# Altium PCB V3mycar.PcbDoc (part 3 of 4) (continued)
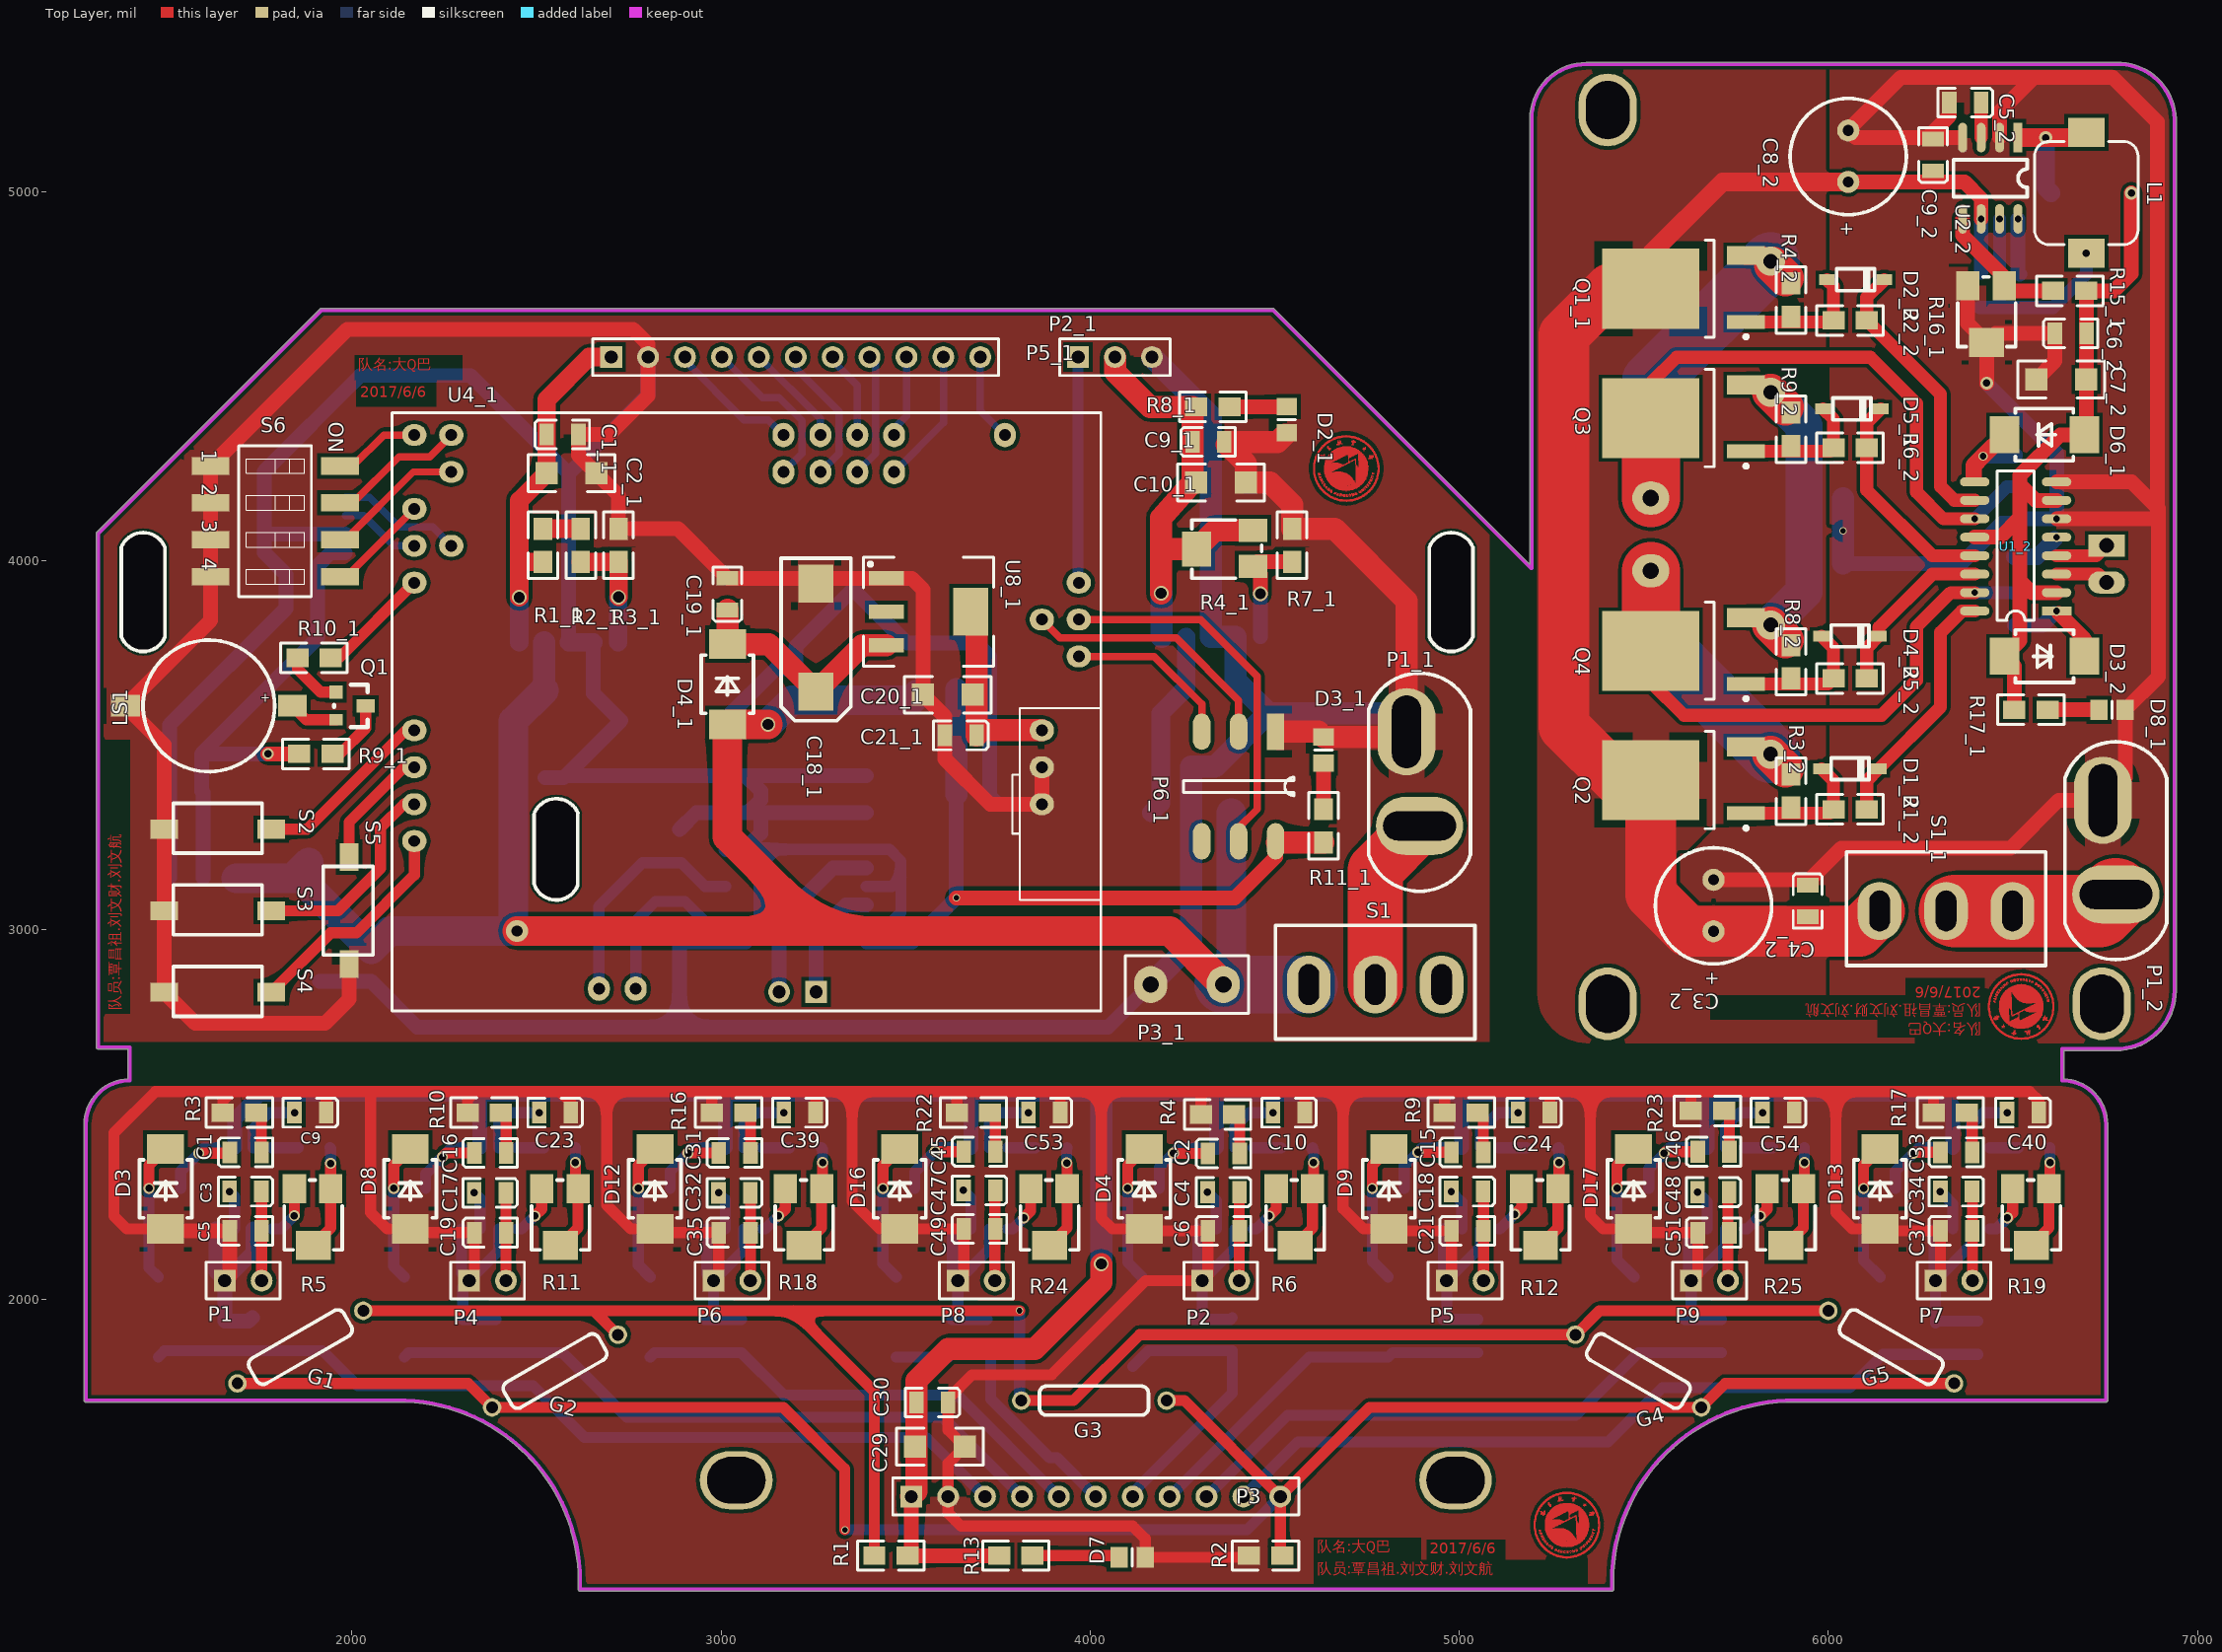
[diagram p0: Top Layer view]
## Nets (pads, with @x,y where several pads share a name; then routed paths per layer and width w, separated by ;. In a path a pad name is that pad's centre, name@x,y a point inside that pad or via, vN(x,y) a via of type N, cw(c..) or ccw(c..) an arc to the next point about the centre after c; other vN are vias at no path point) (continued)
; 6471.62,2738.54 6474.62,2738.54 ; 6471.62,2761.54 6489.62,2761.54 ; 6471.62,2824.54 6495.62,2824.54 ; 6471.62,2847.54 6472.62,2847.54 ; 6471.62,2866.54 6479.62,2866.54 ; 6472.62,2718.54 6480.62,2718.54 ; 6472.62,2759.54 6489.62,2759.54 ; 6472.62,2760.54 6489.62,2760.54 ; 6472.62,2825.54 6495.62,2825.54 ; 6472.62,2826.54 6495.62,2826.54 ; 6472.62,2845.54 6474.62,2845.54 ; 6472.62,2846.54 6473.62,2846.54 ; 6472.62,2867.54 6480.62,2867.54 ; 6473.62,2742.54 6474.62,2742.54 ; 6473.62,2743.54 6474.62,2743.54 ; 6473.62,2744.54 6474.62,2744.54 ; 6473.62,2758.54 6489.62,2758.54 ; 6473.62,2827.54 6495.62,2827.54 ; 6473.62,2844.54 6474.62,2844.54 ; 6473.62,2851.54 6475.62,2851.54 ; 6474.62,2717.54 6483.62,2717.54 ; 6474.62,2737.54 6476.62,2737.54 ; 6474.62,2740.54 6477.62,2740.54 ; 6474.62,2757.54 6489.62,2757.54 ; 6474.62,2828.54 6495.62,2828.54 ; 6474.62,2829.54 6495.62,2829.54 ; 6474.62,2830.54 6475.62,2830.54 ; 6474.62,2850.54 6476.62,2850.54 ; 6474.62,2852.54 6475.62,2852.54 ; 6474.62,2868.54 6483.62,2868.54 ; 6475.62,2736.54 6476.62,2736.54 ; 6475.62,2756.54 6489.62,2756.54 ; 6475.62,2849.54 6476.62,2849.54 ; 6475.62,2869.54 6484.62,2869.54 ; 6476.62,2716.54 6484.62,2716.54 ; 6476.62,2754.54 6489.62,2754.54 ; 6476.62,2755.54 6489.62,2755.54 ; 6476.62,2830.54 6495.62,2830.54 ; 6476.62,2831.54 6495.62,2831.54 ; 6476.62,2847.54 6477.62,2847.54 ; 6476.62,2848.54 6477.62,2848.54 ; 6476.62,2851.54 6478.62,2851.54 ; 6477.62,2753.54 6489.62,2753.54 ; 6477.62,2832.54 6495.62,2832.54 ; 6477.62,2850.54 6481.62,2850.54 ; 6477.62,2853.54 6479.62,2853.54 ; 6477.62,2854.54 6478.62,2854.54 ; 6478.62,2715.54 6487.62,2715.54 ; 6478.62,2752.54 6489.62,2752.54 ; 6478.62,2833.54 6495.62,2833.54 ; 6478.62,2852.54 6479.62,2852.54 ; 6478.62,2870.54 6487.62,2870.54 ; 6479.62,2714.54 6489.62,2714.54 ; 6479.62,2751.54 6565.62,2751.54 ; 6479.62,2834.54 6495.62,2834.54 ; 6479.62,2836.54 6480.62,2836.54 ; 6479.62,2851.54 6480.62,2851.54 ; 6479.62,2871.54 6489.62,2871.54 ; 6480.62,2750.54 6563.62,2750.54 ; 6480.62,2835.54 6509.62,2835.54 ; 6481.62,2713.54 6492.62,2713.54 ; 6481.62,2749.54 6563.62,2749.54 ; 6481.62,2836.54 6509.62,2836.54 ; 6481.62,2854.54 6483.62,2854.54 ; 6481.62,2855.54 6483.62,2855.54 ; 6481.62,2856.54 6482.62,2856.54 ; 6481.62,2857.54 6482.62,2857.54 ; 6481.62,2872.54 6492.62,2872.54 ; 6482.62,2853.54 6484.62,2853.54 ; 6482.62,2858.54 6485.62,2858.54 ; 6483.62,2712.54 6494.62,2712.54 ; 6483.62,2747.54 6561.62,2747.54 ; 6483.62,2748.54 6561.62,2748.54 ; 6483.62,2837.54 6509.62,2837.54 ; 6483.62,2838.54 6510.62,2838.54 ; 6483.62,2852.54 6484.62,2852.54 ; 6483.62,2873.54 6494.62,2873.54 ; 6485.62,2711.54 6498.62,2711.54 ; 6485.62,2746.54 6559.62,2746.54 ; 6485.62,2839.54 6509.62,2839.54 ; 6485.62,2856.54 6487.62,2856.54 ; 6485.62,2857.54 6486.62,2857.54 ; 6485.62,2874.54 6498.62,2874.54 ; 6486.62,2745.54 6558.62,2745.54 ; 6486.62,2840.54 6509.62,2840.54 ; 6486.62,2841.54 6556.62,2841.54 ; 6486.62,2854.54 6487.62,2854.54 ; 6486.62,2855.54 6487.62,2855.54 ; 6487.62,2710.54 6501.62,2710.54 ; 6487.62,2744.54 6556.62,2744.54 ; 6487.62,2875.54 6501.62,2875.54 ; 6488.62,2743.54 6555.62,2743.54 ; 6488.62,2842.54 6555.62,2842.54 ; 6489.62,2790.54 6496.62,2790.54 ; 6489.62,2791.54 6496.62,2791.54 ; 6490.62,2709.54 6507.62,2709.54 ; 6490.62,2789.54 6496.62,2789.54 ; 6490.62,2843.54 6553.62,2843.54 ; 6490.62,2876.54 6506.62,2876.54 ; 6491.62,2742.54 6553.62,2742.54 ; 6491.62,2752.54 6565.62,2752.54 ; 6491.62,2787.54 6496.62,2787.54 ; 6491.62,2788.54 6496.62,2788.54 ; 6492.62,2741.54 6552.62,2741.54 ; 6492.62,2786.54 6496.62,2786.54 ; 6492.62,2844.54 6552.62,2844.54 ; 6492.62,2861.54 6495.62,2861.54 ; 6492.62,2862.54 6494.62,2862.54 ; 6493.62,2708.54 6512.62,2708.54 ; 6493.62,2740.54 6550.62,2740.54 ; 6493.62,2753.54 6566.62,2753.54 ; 6493.62,2785.54 6496.62,2785.54 ; 6493.62,2845.54 6550.62,2845.54 ; 6493.62,2860.54 6494.62,2860.54 ; 6493.62,2863.54 6498.62,2863.54 ; 6493.62,2877.54 6512.62,2877.54 ; 6494.62,2783.54 6496.62,2783.54 ; 6494.62,2784.54 6496.62,2784.54 ; 6494.62,2858.54 6496.62,2858.54 ; 6495.62,2739.54 6547.62,2739.54 ; 6495.62,2754.54 6517.62,2754.54 ; 6495.62,2771.54 6497.62,2771.54 ; 6495.62,2772.54 6497.62,2772.54 ; 6495.62,2773.54 6497.62,2773.54 ; 6495.62,2774.54 6497.62,2774.54 ; 6495.62,2775.54 6497.62,2775.54 ; 6495.62,2776.54 6497.62,2776.54 ; 6495.62,2777.54 6497.62,2777.54 ; 6495.62,2778.54 6497.62,2778.54 ; 6495.62,2779.54 6496.62,2779.54 ; 6495.62,2780.54 6497.62,2780.54 ; 6495.62,2781.54 6496.62,2781.54 ; 6495.62,2782.54 6496.62,2782.54 ; 6495.62,2864.54 6496.62,2864.54 ; 6495.62,2878.54 6548.62,2878.54 ; 6496.62,2707.54 6547.62,2707.54 ; 6496.62,2720.54 6498.62,2720.54 ; 6496.62,2721.54 6498.62,2721.54 ; 6496.62,2767.54 6498.62,2767.54 ; 6496.62,2768.54 6500.62,2768.54 ; 6496.62,2769.54 6497.62,2769.54 ; 6496.62,2770.54 6497.62,2770.54 ; 6496.62,2833.54 6565.62,2833.54 ; 6496.62,2834.54 6510.62,2834.54 ; 6496.62,2846.54 6548.62,2846.54 ; 6497.62,2755.54 6516.62,2755.54 ; 6497.62,2832.54 6566.62,2832.54 ; 6497.62,2859.54 6498.62,2859.54 ; 6497.62,2860.54 6498.62,2860.54 ; 6497.62,2861.54 6498.62,2861.54 ; 6497.62,2862.54 6498.62,2862.54 ; 6498.62,2719.54 6507.62,2719.54 ; 6498.62,2738.54 6546.62,2738.54 ; 6498.62,2829.54 6569.62,2829.54 ; 6498.62,2830.54 6568.62,2830.54 ; 6498.62,2831.54 6567.62,2831.54 ; 6498.62,2847.54 6546.62,2847.54 ; 6499.62,2756.54 6517.62,2756.54 ; 6499.62,2769.54 6502.62,2769.54 ; 6499.62,2828.54 6569.62,2828.54 ; 6499.62,2879.54 6544.62,2879.54 ; 6500.62,2706.54 6543.62,2706.54 ; 6500.62,2717.54 6502.62,2717.54 ; 6500.62,2718.54 6503.62,2718.54 ; 6500.62,2720.54 6501.62,2720.54 ; 6500.62,2721.54 6502.62,2721.54 ; 6500.62,2722.54 6502.62,2722.54 ; 6500.62,2723.54 6502.62,2723.54 ; 6500.62,2737.54 6543.62,2737.54 ; 6500.62,2770.54 6504.62,2770.54 ; 6500.62,2826.54 6571.62,2826.54 ; 6500.62,2827.54 6570.62,2827.54 ; 6500.62,2863.54 6502.62,2863.54 ; 6500.62,2864.54 6501.62,2864.54 ; 6500.62,2865.54 6503.62,2865.54 ; 6501.62,2716.54 6502.62,2716.54 ; 6501.62,2728.54 6507.62,2728.54 ; 6501.62,2757.54 6517.62,2757.54 ; 6501.62,2825.54 6572.62,2825.54 ; 6501.62,2848.54 6543.62,2848.54 ; 6501.62,2860.54 6502.62,2860.54 ; 6501.62,2861.54 6502.62,2861.54 ; 6501.62,2862.54 6502.62,2862.54 ; 6501.62,2866.54 6502.62,2866.54 ; 6502.62,2724.54 6503.62,2724.54 ; 6502.62,2725.54 6505.62,2725.54 ; 6502.62,2726.54 6505.62,2726.54 ; 6502.62,2824.54 6572.62,2824.54 ; 6502.62,2864.54 6503.62,2864.54 ; 6503.62,2705.54 6541.62,2705.54 ; 6503.62,2721.54 6505.62,2721.54 ; 6503.62,2722.54 6505.62,2722.54 ; 6503.62,2727.54 6505.62,2727.54 ; 6503.62,2736.54 6541.62,2736.54 ; 6503.62,2758.54 6516.62,2758.54 ; 6503.62,2771.54 6506.62,2771.54 ; 6503.62,2822.54 6573.62,2822.54 ; 6503.62,2823.54 6573.62,2823.54 ; 6503.62,2849.54 6541.62,2849.54 ; 6503.62,2863.54 6504.62,2863.54 ; 6503.62,2880.54 6540.62,2880.54 ; 6504.62,2723.54 6505.62,2723.54 ; 6504.62,2772.54 6507.62,2772.54 ; 6504.62,2821.54 6574.62,2821.54 ; 6504.62,2862.54 6507.62,2862.54 ; 6504.62,2866.54 6505.62,2866.54 ; 6504.62,2867.54 6505.62,2867.54 ; 6505.62,2718.54 6506.62,2718.54 ; 6505.62,2759.54 6516.62,2759.54 ; 6505.62,2819.54 6575.62,2819.54 ; 6505.62,2820.54 6574.62,2820.54 ; 6505.62,2861.54 6507.62,2861.54 ; 6505.62,2863.54 6506.62,2863.54 ; 6505.62,2864.54 6506.62,2864.54 ; 6505.62,2865.54 6506.62,2865.54 ; 6506.62,2720.54 6508.62,2720.54 ; 6506.62,2818.54 6576.62,2818.54 ; 6507.62,2721.54 6508.62,2721.54 ; 6507.62,2735.54 6536.62,2735.54 ; 6507.62,2760.54 6516.62,2760.54 ; 6507.62,2773.54 6516.62,2773.54 ; 6507.62,2817.54 6576.62,2817.54 ; 6507.62,2850.54 6536.62,2850.54 ; 6508.62,2774.54 6516.62,2774.54 ; 6508.62,2816.54 6576.62,2816.54 ; 6509.62,2734.54 6532.62,2734.54 ; 6509.62,2761.54 6516.62,2761.54 ; 6509.62,2815.54 6577.62,2815.54 ; 6509.62,2863.54 6511.62,2863.54 ; 6509.62,2864.54 6510.62,2864.54 ; 6509.62,2865.54 6510.62,2865.54 ; 6509.62,2866.54 6510.62,2866.54 ; 6509.62,2867.54 6510.62,2867.54 ; 6509.62,2881.54 6534.62,2881.54 ; 6510.62,2704.54 6534.62,2704.54 ; 6510.62,2814.54 6577.62,2814.54 ; 6510.62,2839.54 6512.62,2839.54 ; 6511.62,2762.54 6516.62,2762.54 ; 6511.62,2775.54 6516.62,2775.54 ; 6511.62,2813.54 6578.62,2813.54 ; 6511.62,2835.54 6513.62,2835.54 ; 6511.62,2836.54 6519.62,2836.54 ; 6511.62,2837.54 6516.62,2837.54 ; 6511.62,2851.54 6533.62,2851.54 ; 6511.62,2862.54 6513.62,2862.54 ; 6511.62,2868.54 6512.62,2868.54 ; 6512.62,2776.54 6516.62,2776.54 ; 6512.62,2812.54 6578.62,2812.54 ; 6512.62,2838.54 6515.62,2838.54 ; 6512.62,2840.54 6513.62,2840.54 ; 6513.62,2763.54 6516.62,2763.54 ; 6513.62,2811.54 6578.62,2811.54 ; 6513.62,2834.54 6516.62,2834.54 ; 6513.62,2839.54 6516.62,2839.54 ; 6513.62,2863.54 6514.62,2863.54 ; 6513.62,2864.54 6514.62,2864.54 ; 6513.62,2865.54 6514.62,2865.54 ; 6513.62,2866.54 6514.62,2866.54 ; 6513.62,2867.54 6514.62,2867.54 ; 6514.62,2764.54 6516.62,2764.54 ; 6514.62,2765.54 6516.62,2765.54 ; 6514.62,2772.54 6516.62,2772.54 ; 6514.62,2777.54 6517.62,2777.54 ; 6514.62,2835.54 6517.62,2835.54 ; 6514.62,2840.54 6516.62,2840.54 ; 6515.62,2766.54 6516.62,2766.54 ; 6515.62,2767.54 6516.62,2767.54 ; 6515.62,2768.54 6516.62,2768.54 ; 6515.62,2769.54 6516.62,2769.54 ; 6515.62,2770.54 6516.62,2770.54 ; 6515.62,2771.54 6516.62,2771.54 ; 6515.62,2810.54 6579.62,2810.54 ; 6516.62,2778.54 6520.62,2778.54 ; 6516.62,2809.54 6579.62,2809.54 ; 6517.62,2808.54 6579.62,2808.54 ; 6517.62,2838.54 6523.62,2838.54 ; 6517.62,2868.54 6519.62,2868.54 ; 6518.62,2754.54 6567.62,2754.54 ; 6518.62,2779.54 6521.62,2779.54 ; 6518.62,2837.54 6522.62,2837.54 ; 6518.62,2839.54 6523.62,2839.54 ; 6518.62,2840.54 6524.62,2840.54 ; 6518.62,2863.54 6519.62,2863.54 ; 6518.62,2864.54 6522.62,2864.54 ; 6518.62,2867.54 6522.62,2867.54 ; 6519.62,2834.54 6524.62,2834.54 ; 6519.62,2865.54 6522.62,2865.54 ; 6519.62,2866.54 6522.62,2866.54 ; 6520.62,2755.54 6568.62,2755.54 ; 6520.62,2780.54 6524.62,2780.54 ; 6520.62,2807.54 6580.62,2807.54 ; 6520.62,2835.54 6523.62,2835.54 ; 6520.62,2836.54 6522.62,2836.54 ; 6520.62,2868.54 6522.62,2868.54 ; 6520.62,2882.54 6521.62,2882.54 ; 6521.62,2703.54 6522.62,2703.54 ; 6521.62,2806.54 6570.62,2806.54 ; 6521.62,2853.54 6522.62,2853.54 ; 6521.62,2863.54 6522.62,2863.54 ; 6522.62,2781.54 6525.62,2781.54 ; 6523.62,2756.54 6569.62,2756.54 ; 6523.62,2882.54 6524.62,2882.54 ; 6524.62,2757.54 6569.62,2757.54 ; 6524.62,2782.54 6528.62,2782.54 ; 6524.62,2805.54 6566.62,2805.54 ; 6524.62,2835.54 6526.62,2835.54 ; 6524.62,2836.54 6526.62,2836.54 ; 6524.62,2837.54 6525.62,2837.54 ; 6524.62,2838.54 6525.62,2838.54 ; 6525.62,2839.54 6531.62,2839.54 ; 6525.62,2863.54 6530.62,2863.54 ; 6525.62,2864.54 6526.62,2864.54 ; 6525.62,2866.54 6527.62,2866.54 ; 6525.62,2867.54 6527.62,2867.54 ; 6525.62,2868.54 6529.62,2868.54 ; 6526.62,2783.54 6529.62,2783.54 ; 6526.62,2804.54 6563.62,2804.54 ; 6526.62,2840.54 6530.62,2840.54 ; 6527.62,2758.54 6570.62,2758.54 ; 6527.62,2834.54 6531.62,2834.54 ; 6527.62,2835.54 6531.62,2835.54 ; 6527.62,2837.54 6531.62,2837.54 ; 6527.62,2838.54 6531.62,2838.54 ; 6528.62,2759.54 6571.62,2759.54 ; 6528.62,2784.54 6581.62,2784.54 ; 6528.62,2836.54 6531.62,2836.54 ; 6529.62,2864.54 6530.62,2864.54 ; 6529.62,2865.54 6531.62,2865.54 ; 6529.62,2866.54 6531.62,2866.54 ; 6529.62,2867.54 6530.62,2867.54 ; 6530.62,2785.54 6581.62,2785.54 ; 6530.62,2803.54 6557.62,2803.54 ; 6531.62,2708.54 6551.62,2708.54 ; 6531.62,2725.54 6534.62,2725.54 ; 6531.62,2760.54 6572.62,2760.54 ; 6531.62,2783.54 6580.62,2783.54 ; 6531.62,2877.54 6551.62,2877.54 ; 6532.62,2726.54 6536.62,2726.54 ; 6532.62,2761.54 6572.62,2761.54 ; 6532.62,2782.54 6580.62,2782.54 ; 6532.62,2786.54 6581.62,2786.54 ; 6532.62,2834.54 6565.62,2834.54 ; 6532.62,2836.54 6563.62,2836.54 ; 6532.62,2837.54 6561.62,2837.54 ; 6532.62,2838.54 6560.62,2838.54 ; 6533.62,2835.54 6563.62,2835.54 ; 6533.62,2839.54 6559.62,2839.54 ; 6533.62,2840.54 6558.62,2840.54 ; 6533.62,2862.54 6534.62,2862.54 ; 6533.62,2863.54 6534.62,2863.54 ; 6533.62,2864.54 6534.62,2864.54 ; 6533.62,2865.54 6534.62,2865.54 ; 6534.62,2781.54 6580.62,2781.54 ; 6534.62,2787.54 6581.62,2787.54 ; 6534.62,2867.54 6536.62,2867.54 ; 6535.62,2762.54 6573.62,2762.54 ; 6535.62,2802.54 6551.62,2802.54 ; 6535.62,2865.54 6536.62,2865.54 ; 6535.62,2866.54 6536.62,2866.54 ; 6536.62,2719.54 6537.62,2719.54 ; 6536.62,2720.54 6538.62,2720.54 ; 6536.62,2721.54 6539.62,2721.54 ; 6536.62,2722.54 6540.62,2722.54 ; 6536.62,2723.54 6538.62,2723.54 ; 6536.62,2724.54 6539.62,2724.54 ; 6536.62,2763.54 6574.62,2763.54 ; 6536.62,2780.54 6580.62,2780.54 ; 6536.62,2788.54 6581.62,2788.54 ; 6536.62,2861.54 6538.62,2861.54 ; 6536.62,2862.54 6538.62,2862.54 ; 6536.62,2863.54 6537.62,2863.54 ; 6536.62,2864.54 6537.62,2864.54 ; 6537.62,2709.54 6553.62,2709.54 ; 6537.62,2717.54 6540.62,2717.54 ; 6537.62,2718.54 6538.62,2718.54 ; 6537.62,2876.54 6553.62,2876.54 ; 6538.62,2725.54 6539.62,2725.54 ; 6538.62,2764.54 6574.62,2764.54 ; 6538.62,2789.54 6581.62,2789.54 ; 6538.62,2864.54 6539.62,2864.54 ; 6538.62,2865.54 6539.62,2865.54 ; 6538.62,2866.54 6539.62,2866.54 ; 6538.62,2867.54 6539.62,2867.54 ; 6539.62,2728.54 6541.62,2728.54 ; 6539.62,2790.54 6581.62,2790.54 ; 6540.62,2723.54 6544.62,2723.54 ; 6540.62,2724.54 6544.62,2724.54 ; 6540.62,2725.54 6545.62,2725.54 ; 6540.62,2726.54 6545.62,2726.54 ; 6540.62,2727.54 6541.62,2727.54 ; 6540.62,2765.54 6574.62,2765.54 ; 6540.62,2779.54 6563.62,2779.54 ; 6541.62,2721.54 6545.62,2721.54 ; 6541.62,2722.54 6545.62,2722.54 ; 6542.62,2717.54 6545.62,2717.54 ; 6542.62,2718.54 6544.62,2718.54 ; 6542.62,2720.54 6544.62,2720.54 ; 6542.62,2727.54 6544.62,2727.54 ; 6542.62,2728.54 6543.62,2728.54 ; 6542.62,2766.54 6575.62,2766.54 ; 6542.62,2791.54 6581.62,2791.54 ; 6542.62,2860.54 6544.62,2860.54 ; 6542.62,2861.54 6543.62,2861.54 ; 6542.62,2862.54 6543.62,2862.54 ; 6542.62,2863.54 6543.62,2863.54 ; 6542.62,2864.54 6545.62,2864.54 ; 6542.62,2865.54 6543.62,2865.54 ; 6542.62,2866.54 6543.62,2866.54 ; 6543.62,2710.54 6556.62,2710.54 ; 6543.62,2719.54 6544.62,2719.54 ; 6543.62,2778.54 6559.62,2778.54 ; 6543.62,2875.54 6556.62,2875.54 ; 6544.62,2767.54 6576.62,2767.54 ; 6544.62,2792.54 6581.62,2792.54 ; 6544.62,2861.54 6545.62,2861.54 ; 6544.62,2863.54 6547.62,2863.54 ; 6545.62,2711.54 6558.62,2711.54 ; 6545.62,2727.54 6547.62,2727.54 ; 6545.62,2728.54 6547.62,2728.54 ; 6545.62,2862.54 6546.62,2862.54 ; 6545.62,2874.54 6558.62,2874.54 ; 6546.62,2768.54 6576.62,2768.54 ; 6546.62,2793.54 6581.62,2793.54 ; 6546.62,2864.54 6547.62,2864.54 ; 6547.62,2794.54 6581.62,2794.54 ; 6548.62,2769.54 6576.62,2769.54 ; 6548.62,2858.54 6549.62,2858.54 ; 6549.62,2712.54 6560.62,2712.54 ; 6549.62,2859.54 6550.62,2859.54 ; 6549.62,2860.54 6551.62,2860.54 ; 6549.62,2861.54 6551.62,2861.54 ; 6549.62,2873.54 6560.62,2873.54 ; 6550.62,2770.54 6577.62,2770.54 ; 6550.62,2795.54 6581.62,2795.54 ; 6550.62,2862.54 6551.62,2862.54 ; 6551.62,2859.54 6554.62,2859.54 ; 6552.62,2713.54 6562.62,2713.54 ; 6552.62,2771.54 6578.62,2771.54 ; 6552.62,2796.54 6581.62,2796.54 ; 6552.62,2857.54 6553.62,2857.54 ; 6552.62,2858.54 6553.62,2858.54 ; 6552.62,2872.54 6562.62,2872.54 ; 6553.62,2860.54 6554.62,2860.54 ; 6554.62,2772.54 6578.62,2772.54 ; 6554.62,2797.54 6581.62,2797.54 ; 6554.62,2861.54 6555.62,2861.54 ; 6555.62,2714.54 6565.62,2714.54 ; 6555.62,2871.54 6565.62,2871.54 ; 6556.62,2715.54 6566.62,2715.54 ; 6556.62,2773.54 6578.62,2773.54 ; 6556.62,2798.54 6581.62,2798.54 ; 6556.62,2870.54 6566.62,2870.54 ; 6557.62,2799.54 6581.62,2799.54 ; 6558.62,2774.54 6579.62,2774.54 ; 6559.62,2716.54 6568.62,2716.54 ; 6559.62,2852.54 6560.62,2852.54 ; 6559.62,2853.54 6560.62,2853.54 ; 6559.62,2869.54 6568.62,2869.54 ; 6560.62,2775.54 6579.62,2775.54 ; 6560.62,2800.54 6581.62,2800.54 ; 6560.62,2851.54 6564.62,2851.54 ; 6560.62,2855.54 6562.62,2855.54 ; 6560.62,2856.54 6562.62,2856.54 ; 6560.62,2868.54 6569.62,2868.54 ; 6561.62,2717.54 6569.62,2717.54 ; 6561.62,2801.54 6581.62,2801.54 ; 6561.62,2854.54 6563.62,2854.54 ; 6561.62,2857.54 6563.62,2857.54 ; 6562.62,2776.54 6579.62,2776.54 ; 6563.62,2718.54 6571.62,2718.54 ; 6563.62,2777.54 6579.62,2777.54 ; 6563.62,2852.54 6565.62,2852.54 ; 6563.62,2856.54 6564.62,2856.54 ; 6563.62,2867.54 6571.62,2867.54 ; 6564.62,2737.54 6567.62,2737.54 ; 6564.62,2738.54 6566.62,2738.54 ; 6564.62,2739.54 6566.62,2739.54 ; 6564.62,2740.54 6567.62,2740.54 ; 6564.62,2802.54 6580.62,2802.54 ; 6564.62,2853.54 6565.62,2853.54 ; 6564.62,2854.54 6565.62,2854.54 ; 6564.62,2855.54 6565.62,2855.54 ; 6565.62,2719.54 6572.62,2719.54 ; 6565.62,2720.54 6574.62,2720.54 ; 6565.62,2741.54 6566.62,2741.54 ; 6565.62,2742.54 6569.62,2742.54 ; 6565.62,2803.54 6580.62,2803.54 ; 6565.62,2848.54 6566.62,2848.54 ; 6565.62,2866.54 6572.62,2866.54 ; 6566.62,2778.54 6580.62,2778.54 ; 6566.62,2849.54 6567.62,2849.54 ; 6566.62,2865.54 6574.62,2865.54 ; 6567.62,2738.54 6571.62,2738.54 ; 6567.62,2739.54 6570.62,2739.54 ; 6567.62,2741.54 6569.62,2741.54 ; 6567.62,2779.54 6580.62,2779.54 ; 6567.62,2804.54 6580.62,2804.54 ; 6567.62,2850.54 6568.62,2850.54 ; 6567.62,2851.54 6570.62,2851.54 ; 6568.62,2721.54 6575.62,2721.54 ; 6568.62,2737.54 6570.62,2737.54 ; 6568.62,2740.54 6569.62,2740.54 ; 6568.62,2846.54 6571.62,2846.54 ; 6568.62,2847.54 6571.62,2847.54 ; 6568.62,2848.54 6569.62,2848.54 ; 6568.62,2852.54 6570.62,2852.54 ; 6568.62,2864.54 6575.62,2864.54 ; 6569.62,2722.54 6576.62,2722.54 ; 6569.62,2733.54 6573.62,2733.54 ; 6569.62,2734.54 6571.62,2734.54 ; 6569.62,2735.54 6572.62,2735.54 ; 6569.62,2736.54 6570.62,2736.54 ; 6569.62,2805.54 6581.62,2805.54 ; 6569.62,2850.54 6570.62,2850.54 ; 6569.62,2863.54 6576.62,2863.54 ; 6570.62,2732.54 6572.62,2732.54 ; 6571.62,2723.54 6578.62,2723.54 ; 6571.62,2736.54 6573.62,2736.54 ; 6571.62,2737.54 6572.62,2737.54 ; 6571.62,2848.54 6572.62,2848.54 ; 6571.62,2862.54 6578.62,2862.54 ; 6572.62,2724.54 6579.62,2724.54 ; 6572.62,2806.54 6580.62,2806.54 ; 6572.62,2849.54 6573.62,2849.54 ; 6572.62,2861.54 6579.62,2861.54 ; 6573.62,2841.54 6575.62,2841.54 ; 6573.62,2842.54 6577.62,2842.54 ; 6573.62,2843.54 6574.62,2843.54 ; 6574.62,2725.54 6580.62,2725.54 ; 6574.62,2726.54 6581.62,2726.54 ; 6574.62,2844.54 6577.62,2844.54 ; 6574.62,2845.54 6576.62,2845.54 ; 6574.62,2860.54 6580.62,2860.54 ; 6575.62,2765.54 6576.62,2765.54 ; 6575.62,2846.54 6576.62,2846.54 ; 6575.62,2847.54 6576.62,2847.54 ; 6575.62,2859.54 6581.62,2859.54 ; 6576.62,2727.54 6583.62,2727.54 ; 6576.62,2843.54 6579.62,2843.54 ; 6576.62,2858.54 6583.62,2858.54 ; 6577.62,2728.54 6583.62,2728.54 ; 6577.62,2769.54 6578.62,2769.54 ; 6577.62,2837.54 6579.62,2837.54 ; 6577.62,2857.54 6583.62,2857.54 ; 6578.62,2729.54 6585.62,2729.54 ; 6578.62,2838.54 6580.62,2838.54 ; 6578.62,2856.54 6585.62,2856.54 ; 6579.62,2730.54 6586.62,2730.54 ; 6579.62,2834.54 6580.62,2834.54 ; 6579.62,2855.54 6585.62,2855.54 ; 6580.62,2731.54 6586.62,2731.54 ; 6580.62,2755.54 6583.62,2755.54 ; 6580.62,2756.54 6582.62,2756.54 ; 6580.62,2757.54 6581.62,2757.54 ; 6580.62,2758.54 6581.62,2758.54 ; 6580.62,2759.54 6582.62,2759.54 ; 6580.62,2760.54 6582.62,2760.54 ; 6580.62,2835.54 6582.62,2835.54 ; 6580.62,2836.54 6583.62,2836.54 ; 6580.62,2837.54 6581.62,2837.54 ; 6580.62,2839.54 6581.62,2839.54 ; 6580.62,2840.54 6582.62,2840.54 ; 6580.62,2854.54 6586.62,2854.54 ; 6581.62,2732.54 6587.62,2732.54 ; 6581.62,2763.54 6588.62,2763.54 ; 6581.62,2764.54 6585.62,2764.54 ; 6581.62,2853.54 6587.62,2853.54 ; 6582.62,2733.54 6588.62,2733.54 ; 6582.62,2829.54 6587.62,2829.54 ; 6582.62,2830.54 6583.62,2830.54 ; 6582.62,2831.54 6583.62,2831.54 ; 6582.62,2832.54 6583.62,2832.54 ; 6582.62,2852.54 6588.62,2852.54 ; 6583.62,2734.54 6589.62,2734.54 ; 6583.62,2756.54 6584.62,2756.54 ; 6583.62,2757.54 6585.62,2757.54 ; 6583.62,2761.54 6585.62,2761.54 ; 6583.62,2762.54 6585.62,2762.54 ; 6583.62,2828.54 6585.62,2828.54 ; 6583.62,2837.54 6584.62,2837.54 ; 6583.62,2851.54 6589.62,2851.54 ; 6584.62,2758.54 6587.62,2758.54 ; 6584.62,2759.54 6587.62,2759.54 ; 6584.62,2760.54 6589.62,2760.54 ; 6584.62,2765.54 6587.62,2765.54 ; 6584.62,2850.54 6590.62,2850.54 ; 6585.62,2735.54 6590.62,2735.54 ; 6585.62,2736.54 6591.62,2736.54 ; 6585.62,2766.54 6587.62,2766.54 ; 6585.62,2767.54 6586.62,2767.54 ; 6585.62,2824.54 6586.62,2824.54 ; 6585.62,2825.54 6588.62,2825.54 ; 6585.62,2833.54 6587.62,2833.54 ; 6585.62,2849.54 6591.62,2849.54 ; 6586.62,2737.54 6592.62,2737.54 ; 6586.62,2761.54 6589.62,2761.54 ; 6586.62,2762.54 6588.62,2762.54 ; 6586.62,2830.54 6588.62,2830.54 ; 6586.62,2848.54 6592.62,2848.54 ; 6587.62,2738.54 6592.62,2738.54 ; 6587.62,2764.54 6588.62,2764.54 ; 6587.62,2820.54 6588.62,2820.54 ; 6587.62,2821.54 6589.62,2821.54 ; 6587.62,2822.54 6588.62,2822.54 ; 6587.62,2823.54 6589.62,2823.54 ; 6587.62,2831.54 6588.62,2831.54 ; 6587.62,2832.54 6588.62,2832.54 ; 6587.62,2847.54 6593.62,2847.54 ; 6588.62,2739.54 6593.62,2739.54 ; 6588.62,2756.54 6589.62,2756.54 ; 6588.62,2757.54 6592.62,2757.54 ; 6588.62,2826.54 6591.62,2826.54 ; 6588.62,2846.54 6593.62,2846.54 ; 6589.62,2740.54 6594.62,2740.54 ; 6589.62,2741.54 6595.62,2741.54 ; 6589.62,2758.54 6591.62,2758.54 ; 6589.62,2759.54 6591.62,2759.54 ; 6589.62,2815.54 6596.62,2815.54 ; 6589.62,2816.54 6591.62,2816.54 ; 6589.62,2822.54 6592.62,2822.54 ; 6589.62,2824.54 6590.62,2824.54 ; 6589.62,2825.54 6590.62,2825.54 ; 6589.62,2827.54 6591.62,2827.54 ; 6589.62,2844.54 6595.62,2844.54 ; 6589.62,2845.54 6594.62,2845.54 ; 6590.62,2742.54 6595.62,2742.54 ; 6590.62,2760.54 6591.62,2760.54 ; 6590.62,2761.54 6592.62,2761.54 ; 6590.62,2762.54 6592.62,2762.54 ; 6590.62,2817.54 6594.62,2817.54 ; 6590.62,2843.54 6595.62,2843.54 ; 6591.62,2743.54 6596.62,2743.54 ; 6591.62,2756.54 6594.62,2756.54 ; 6591.62,2763.54 6592.62,2763.54 ; 6591.62,2764.54 6592.62,2764.54 ; 6591.62,2810.54 6594.62,2810.54 ; 6591.62,2823.54 6593.62,2823.54 ; 6591.62,2842.54 6596.62,2842.54 ; 6592.62,2744.54 6596.62,2744.54 ; 6592.62,2745.54 6597.62,2745.54 ; 6592.62,2806.54 6598.62,2806.54 ; 6592.62,2807.54 6594.62,2807.54 ; 6592.62,2818.54 6594.62,2818.54 ; 6592.62,2840.54 6597.62,2840.54 ; 6592.62,2841.54 6597.62,2841.54 ; 6593.62,2746.54 6598.62,2746.54 ; 6593.62,2816.54 6594.62,2816.54 ; 6593.62,2819.54 6594.62,2819.54 ; 6593.62,2839.54 6598.62,2839.54 ; 6594.62,2747.54 6599.62,2747.54 ; 6594.62,2748.54 6599.62,2748.54 ; 6594.62,2808.54 6595.62,2808.54 ; 6594.62,2809.54 6596.62,2809.54 ; 6594.62,2811.54 6597.62,2811.54 ; 6594.62,2837.54 6599.62,2837.54 ; 6594.62,2838.54 6598.62,2838.54 ; 6595.62,2749.54 6600.62,2749.54 ; 6595.62,2810.54 6597.62,2810.54 ; 6595.62,2835.54 6600.62,2835.54 ; 6595.62,2836.54 6600.62,2836.54 ; 6596.62,2750.54 6600.62,2750.54 ; 6596.62,2751.54 6601.62,2751.54 ; 6596.62,2752.54 6601.62,2752.54 ; 6596.62,2807.54 6598.62,2807.54 ; 6596.62,2833.54 6601.62,2833.54 ; 6596.62,2834.54 6601.62,2834.54 ; 6597.62,2753.54 6602.62,2753.54 ; 6597.62,2832.54 6602.62,2832.54 ; 6598.62,2754.54 6603.62,2754.54 ; 6598.62,2755.54 6603.62,2755.54 ; 6598.62,2756.54 6603.62,2756.54 ; 6598.62,2829.54 6603.62,2829.54 ; 6598.62,2830.54 6603.62,2830.54 ; 6598.62,2831.54 6603.62,2831.54 ; 6599.62,2757.54 6604.62,2757.54 ; 6599.62,2828.54 6604.62,2828.54 ; 6600.62,2758.54 6604.62,2758.54 ; 6600.62,2759.54 6605.62,2759.54 ; 6600.62,2760.54 6605.62,2760.54 ; 6600.62,2825.54 6605.62,2825.54 ; 6600.62,2826.54 6605.62,2826.54 ; 6600.62,2827.54 6604.62,2827.54 ; 6601.62,2761.54 6605.62,2761.54 ; 6601.62,2762.54 6606.62,2762.54 ; 6601.62,2823.54 6606.62,2823.54 ; 6601.62,2824.54 6605.62,2824.54 ; 6602.62,2763.54 6606.62,2763.54 ; 6602.62,2764.54 6606.62,2764.54 ; 6602.62,2820.54 6607.62,2820.54 ; 6602.62,2821.54 6607.62,2821.54 ; 6602.62,2822.54 6606.62,2822.54 ; 6603.62,2765.54 6607.62,2765.54 ; 6603.62,2766.54 6607.62,2766.54 ; 6603.62,2767.54 6607.62,2767.54 ; 6603.62,2768.54 6608.62,2768.54 ; 6603.62,2817.54 6608.62,2817.54 ; 6603.62,2818.54 6607.62,2818.54 ; 6603.62,2819.54 6607.62,2819.54 ; 6604.62,2769.54 6608.62,2769.54 ; 6604.62,2770.54 6608.62,2770.54 ; 6604.62,2771.54 6609.62,2771.54 ; 6604.62,2772.54 6609.62,2772.54 ; 6604.62,2813.54 6609.62,2813.54 ; 6604.62,2814.54 6609.62,2814.54 ; 6604.62,2815.54 6608.62,2815.54 ; 6604.62,2816.54 6608.62,2816.54 ; 6605.62,2773.54 6609.62,2773.54 ; 6605.62,2774.54 6609.62,2774.54 ; 6605.62,2775.54 6609.62,2775.54 ; 6605.62,2776.54 6609.62,2776.54 ; 6605.62,2777.54 6610.62,2777.54 ; 6605.62,2808.54 6610.62,2808.54 ; 6605.62,2809.54 6609.62,2809.54 ; 6605.62,2810.54 6609.62,2810.54 ; 6605.62,2811.54 6609.62,2811.54 ; 6605.62,2812.54 6609.62,2812.54 ; 6606.62,2778.54 6610.62,2778.54 ; 6606.62,2779.54 6610.62,2779.54 ; 6606.62,2780.54 6610.62,2780.54 ; 6606.62,2781.54 6610.62,2781.54 ; 6606.62,2782.54 6611.62,2782.54 ; 6606.62,2783.54 6611.62,2783.54 ; 6606.62,2802.54 6611.62,2802.54 ; 6606.62,2803.54 6611.62,2803.54 ; 6606.62,2804.54 6610.62,2804.54 ; 6606.62,2805.54 6610.62,2805.54 ; 6606.62,2806.54 6610.62,2806.54 ; 6606.62,2807.54 6610.62,2807.54 ; 6607.62,2784.54 6611.62,2784.54 ; 6607.62,2785.54 6611.62,2785.54 ; 6607.62,2786.54 6611.62,2786.54 ; 6607.62,2787.54 6611.62,2787.54 ; 6607.62,2788.54 6611.62,2788.54 ; 6607.62,2789.54 6611.62,2789.54 ; 6607.62,2790.54 6611.62,2790.54 ; 6607.62,2791.54 6611.62,2791.54 ; 6607.62,2792.54 6611.62,2792.54 ; 6607.62,2793.54 6611.62,2793.54 ; 6607.62,2794.54 6611.62,2794.54 ; 6607.62,2795.54 6611.62,2795.54 ; 6607.62,2796.54 6611.62,2796.54 ; 6607.62,2797.54 6611.62,2797.54 ; 6607.62,2798.54 6611.62,2798.54 ; 6607.62,2799.54 6611.62,2799.54 ; 6607.62,2800.54 6611.62,2800.54 ; 6607.62,2801.54 6611.62,2801.54
  Top Layer w20: 1967.28,3957.13 1985.08,3957.13 2168.86,4140.91 ; 1967.28,4057.13 1982.09,4057.13 2165.87,4240.91 2268.86,4240.91 ; 1967.28,4157.13 2002.09,4157.13 2127.09,4282.13 2210.08,4282.13 2268.86,4340.91 ; 1967.28,4257.13 2002.09,4257.13 2085.87,4340.91 2168.86,4340.91 ; 3868.86,3840.91 3918.36,3791.41 4232.81,3791.41 4402.09,3622.13 4402.09,3537.13 ; 3968.86,3740.91 4173.31,3740.91 4302.09,3612.13 4302.09,3537.13 ; 3968.86,3840.91 4298.31,3840.91 4452.09,3687.13 4452.09,3327.13 4402.09,3277.13 4402.09,3240.28